# Altium PCB 28Pins_Project_V1I1_PCB.PcbDoc (part 2 of 2)
Units mm, origin at the board's own origin, x right, y up, seen from the top; angles counter-clockwise.
Board outline 68.58 x 53.34 mm, 2 copper layers (L1, L2), stack 1.671 mm thick; 106 components, 72 nets, 323 pads, 70 vias.
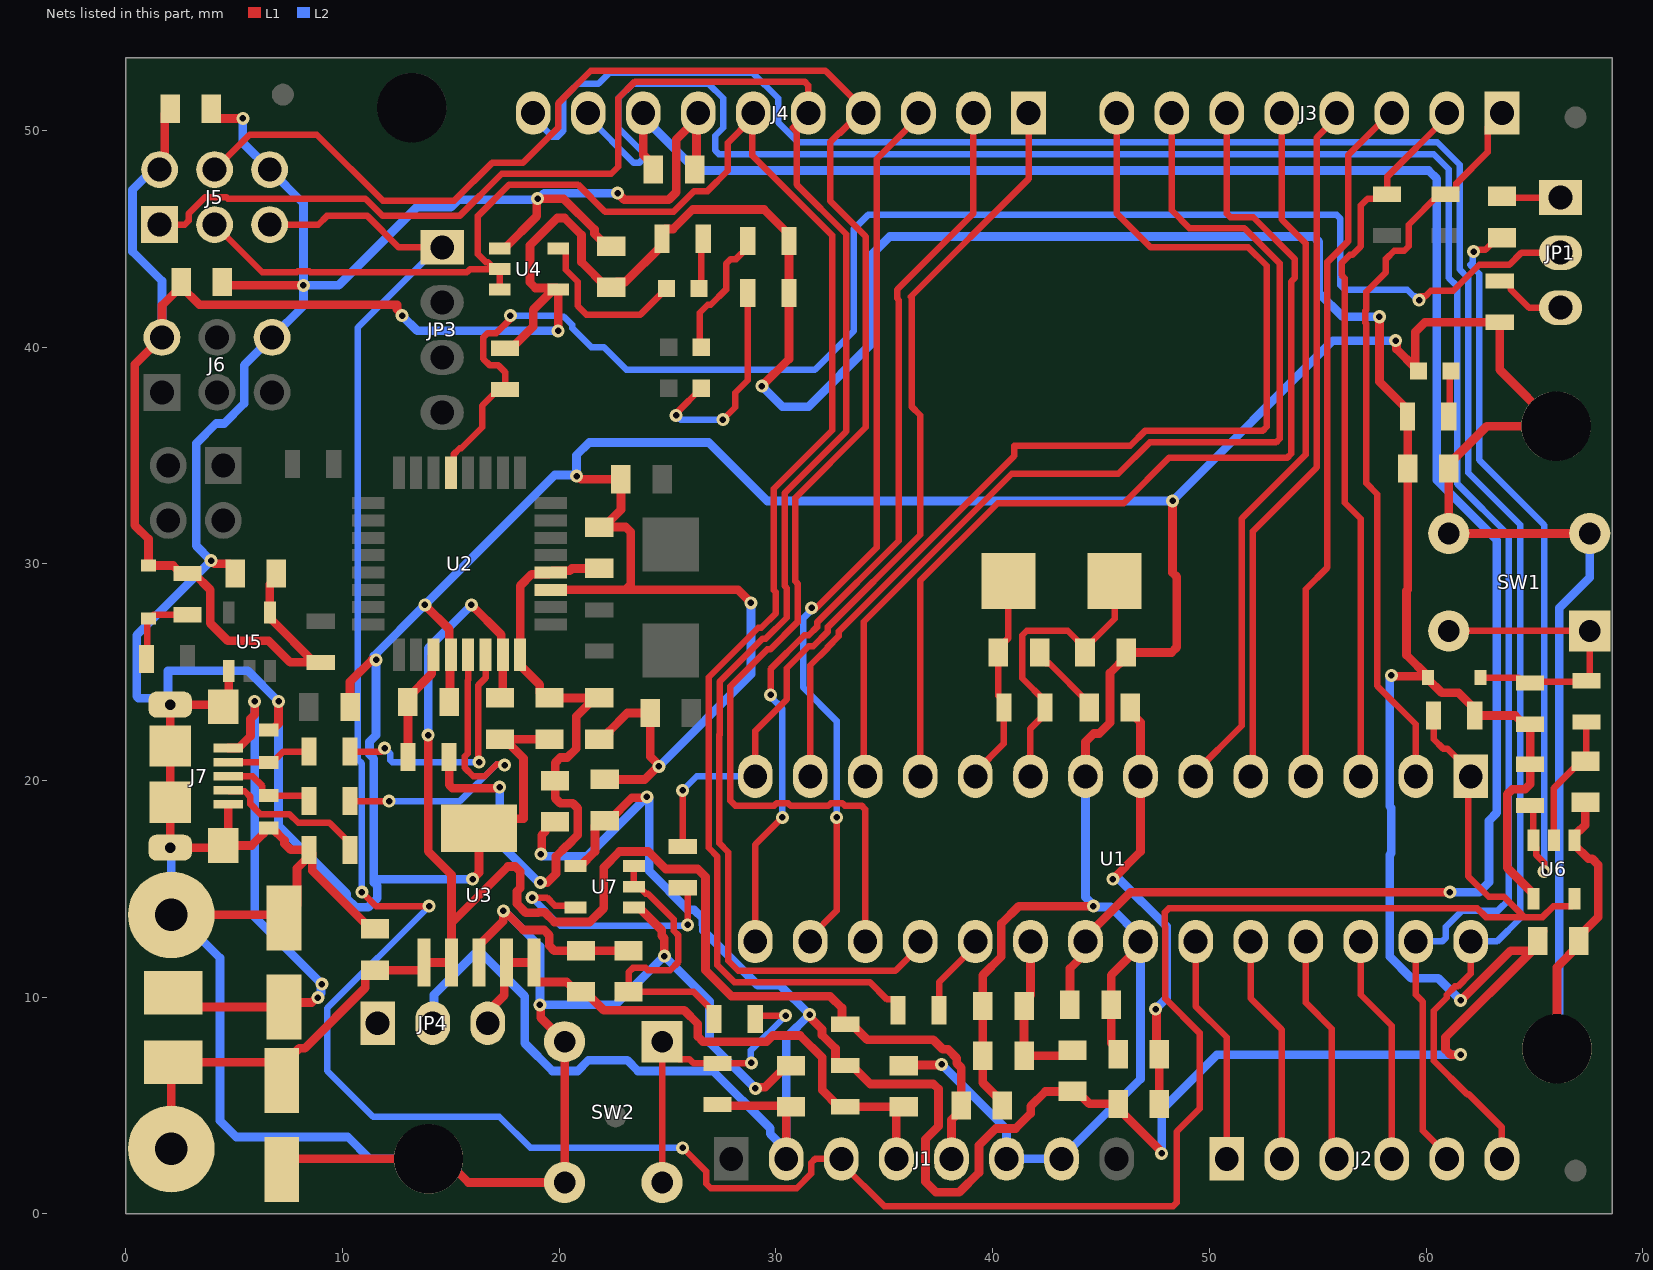
[diagram p2: the nets of this part, all layers, seen from the top]

## Via types
v1: diameter 0.6, hole 0.3, L1 to L2, 70 vias

## Nets (pads, with @x,y where several pads share a name; then routed paths per layer and width w, separated by ;. In a path a pad name is that pad's centre, name@x,y a point inside that pad or via, vN(x,y) a via of type N, cw(c..) or ccw(c..) an arc to the next point about the centre after c; other vN are vias at no path point) (continued)
16U2PROG_328P_RESETn: JP1.2 R1.1 U2.13 | length 69.6
  L1 w0.3: U2.13@15,34.2 15.125,34.325 15.125,35.045 15.41,35.33 15.483,35.33 16.45,36.297 16.45,37.3 17.2,38.05 R1.1@17.5,38.05 17.5,38.85 17.197,39.153 16.802,39.153 16.5,39.455 16.5,40.445 16.705,40.65 17.1,40.65 17.75,41.3 v1(17.75,41.45) ; v1(59.685,42.165) 59.685,42.247 59.788,42.35 59.969,42.35 60.219,42.6 61.25,42.6 62.45,43.8 63.845,43.8 64.405,44.36 JP1.2@66.2,44.36
  L2 w0.3: v1(17.75,41.45) 20.028,41.45 20.078,41.4 20.219,41.4 20.6,41.019 20.6,40.878 21.478,40 22.05,40 23.1,38.95 31.8,38.95 33.6,40.75 33.6,45.45 34.25,46.1 55.874,46.1 56.05,45.924 56.05,42.85 56.25,42.65 59.131,42.65 59.431,42.35 59.5,42.35 v1(59.685,42.165)
328P_16MHZ_XTAL1: C27.2 R16.1 U1.9 Y1.1 | length 14.6
  L1 w0.3: U1.9@41.745,20.193 41.745,22.395 42.418,23.068 42.418,23.668 41.364,24.722 41.364,26.703 41.569,26.908 43.462,26.908 C27.2@44.262,26.108 ; Y1.1@45.63,29.21 45.63,27.46 44.578,26.408 44.562,26.408 C27.2@44.262,26.108 ; C27.2@44.262,26.108 C27.2@44.262,25.908 C27.2@44.262,26.108
328P_16MHZ_XTAL2: C25.2 R16.2 U1.10 Y1.2 | length 9.9
  L1 w0.3: U1.10@39.205,20.193 39.205,20.393 40.518,21.706 R16.2@40.518,23.368 40.518,23.668 40.264,23.922 C25.2@40.264,25.908 40.264,26.108 40.73,26.574 Y1.2@40.73,29.21
328P_AUTORESETn: C11.1 R18.1 U6.1 | length 35
  L1 w0.3: v1(62.2,44.4) 62.281,44.4 62.368,44.487 62.737,44.487 63.3,45.05 C11.1@63.5,45.05 ; R18.1@64.8,18.85 64.95,18.7 64.95,17.025 65.075,16.9 65.075,16.572 65.45,16.197 v1(65.45,15.8)
  L2 w0.3: v1(62.2,44.4) 62.143,44.343 62.143,43.882 62.05,43.789 62.45,43.389 62.45,34.79 65.45,31.79 v1(65.45,15.8)
328P_BUF_RESETn: C32.1 R24.2 U6.2 | length 6.2
  L1 w0.3: U6.2@65.9,17.25 65.9,19.65 67.15,20.9 C32.1@67.35,20.9 67.4,20.95 R24.2@67.4,22.7
328P_RESETn: J1.3 J5.5 JP3.1 R14.1 U1.1 U6.4 | length 142.7
  L1 w0.3: J5.5@6.64,45.65 8.884,45.65 9.284,46.05 11.15,46.05 12.6,44.6 JP3.1@14.6,44.6 ; v1(10.9,14.85) 11.55,14.2 v1(14,14.2) ; v1(25.7,3.05) 26.79,1.96 26.79,1.395 26.995,1.19 30.956,1.19 31.63,1.864 31.63,2.364 31.806,2.54 J1.3@33.02,2.54 33.02,2.34 35.01,0.35 48.324,0.35 48.5,0.526 48.5,3.8 49.55,4.85 49.55,8.35 47.975,9.925 47.975,13.249 47.95,13.274 47.95,13.924 48.126,14.1 62.364,14.1 62.764,13.7 64.53,13.7 ; R14.1@60.35,23 60.35,21.908 60.782,21.476 60.982,21.476 62.065,20.393 U1.1@62.065,20.193 61.95,20.078 61.95,15.576 62.888,14.638 63.592,14.638 64.53,13.7 ; U6.4@66.85,14.55 66.85,14.325 66.725,14.2 65.878,14.2 65.378,13.7 64.53,13.7
  L2 w0.3: v1(10.9,14.85) 10.9,20.782 10.7,20.982 10.7,40.9 14.4,44.6 JP3.1@14.6,44.6 ; v1(14,14.2) 9.3,9.5 9.3,6.6 11.41,4.49 17.232,4.49 18.672,3.05 v1(25.7,3.05)
+3V3: C13.2 C16.2 J1.4 JP4.3 R28.2 U3.4 U3.5 | length 28.7
  L1 w0.4: JP4.3@16.7,8.8 16.7,9.325 17.47,10.095 17.47,11.5 U3.4@17.57,11.6 U3.5@18.84,11.6 18.84,10.8 18.94,10.7 20.35,10.7 20.8,10.25 C13.2@21,10.25 21.2,10.25 22.05,9.4 25.766,9.4 26.4,8.766 26.4,8.184 26.634,7.95 29.566,7.95 29.85,8.234 31.116,8.234 32.133,7.217 32.133,5.717 32.9,4.95 R28.2@33.2,4.95 C16.2@35.81,4.95 ; J1.4@35.56,2.54 35.56,4.7 C16.2@35.81,4.95 ; C16.2@35.9,4.95 C16.2@35.81,4.95
+3V3_16U2_UCAP: C7.2 R26.1 U2.27 | length 5.2
  L1 w0.4: R26.1@13.02,21.082 C7.2@13.02,23.622 13.02,23.822 14.125,24.927 14.125,25.725 U2.27@14.2,25.8
+5V: C2.1 C6.2 C12.2 C14.2 J1.5 J8.1 JP4.1 L1.2 R27.1 U2.31 U3.1 U3.2 | length 84.5
  L1 w0.4: J8.1@2.1,3 2.1,6.9 L1.2@2.2,7 6.6,7 C2.1@7.2,6.4 ; C2.1@7.2,6.15 C2.1@7.2,6.4 ; v1(13.95,22.1) 13.95,16.734 15.03,15.654 15.03,13.43 ; v1(15.95,28.1) 17.325,26.725 17.325,25.875 U2.31@17.4,25.8 17.4,23.938 C6.2@17.272,23.81 ; J1.5@38.1,2.54 38.1,4.35 38.55,4.8 C14.2@38.55,5 38.55,6.75 38.35,6.95 38.35,7.19 37.94,7.6 37.7,7.6 37.266,8.034 34.216,8.034 33.5,8.75 R27.1@33.2,8.75 33.05,8.9 33.05,9.5 32.5,10.05 27.95,10.05 26.75,11.25 26.75,15.566 26.398,15.918 24.923,15.918 24.116,16.725 22.784,16.725 22.05,15.991 22.05,14.109 21.416,13.475 19.779,13.475 19.331,13.924 19.064,13.924 19.04,13.9 18.46,13.9 18.05,14.31 18.05,14.89 18.2,15.04 18.2,15.8 17.966,16.034 17.634,16.034 15.03,13.43 ; C2.1@7.2,6.4 7.2,6.85 8,7.65 8.266,7.65 11.05,10.434 11.05,11 11.3,11.25 C12.2@11.5,11.25 13.66,11.25 13.76,11.35 U3.1@13.76,11.6 U3.2@15.03,11.6 15.03,13.43
  L2 w0.4: J8.1@2.1,3 J8.1@2.884,3 ; v1(13.95,22.1) 13.95,26.1 v1(15.95,28.1)
+5V/3V3: C8.1 C15.2 C17.1 C26.1 C28.1 C29.1 C30.1 C34.2 D5.1 D6.1 FB1.1 FB2.1 FB3.1 J1.2 J5.2 J6.2 JP4.2 R1.2 R2.1 R3.1 R4.2 R14.2 R15.2 R17.2 R18.2 R19.2 R20.2 R21.2 R27.2 R28.1 U4.5 U5.5 U6.5 U7.5 | length 304.2
  L1 w0.4: J5.2@1.56,48.19 1.805,48.435 1.805,50.755 C17.1@2.05,51 ; C8.1@2.55,43 C8.1@2.55,42.8 ; C30.1@6.95,29.55 6.95,29.35 6.65,29.05 U5.5@6.65,27.75 6.725,27.675 6.725,27.425 R4.2@8.7,25.45 ; R4.2@9,25.45 R4.2@8.7,25.45 ; v1(12.75,41.45) 12.75,41.504 12.516,41.738 12.516,41.95 3.4,41.95 C8.1@2.55,42.8 ; R1.2@17.5,39.95 17.8,39.95 18.8,40.95 18.8,41.725 19.725,42.65 U4.5@19.95,42.65 ; v1(19.15,16.6) 19.188,16.638 19.188,17.476 19.362,17.65 19.362,17.85 19.612,18.1 FB1.1@19.812,18.1 ; v1(19.95,40.75) U4.5@19.95,42.65 ; U7.5@20.75,16.05 20.975,16.05 21.65,16.725 21.65,17.9 21.9,18.15 C29.1@22.1,18.15 22.3,18.15 23.362,19.212 24.012,19.212 v1(24.05,19.25) ; R21.2@27.3,5.05 27.35,5 30.65,5 C15.2@30.7,4.95 30.48,4.73 J1.2@30.48,2.54 ; v1(29.35,38.2) 30.6,39.45 R3.1@30.6,42.5 R2.1@30.6,44.9 30.6,45.2 29.45,46.35 26.156,46.35 25.256,45.45 24.9,45.45 24.75,45.3 24.75,44.7 23.05,43 22.65,43 C26.1@22.4,42.75 22.2,42.75 21.025,43.925 21.025,45.176 20.241,45.96 19.91,45.96 18.65,44.7 18.65,42.984 18.909,42.725 19.875,42.725 U4.5@19.95,42.65 ; v1(31.55,9.2) 31.55,9.1 32.125,8.525 32.125,8.259 32.75,7.634 32.75,7 32.9,6.85 R28.1@33.2,6.85 33.5,6.85 34.35,6 37.266,6 37.5,5.766 37.5,4.042 36.9,3.442 36.9,1.484 37.384,1 38.457,1 39.37,1.913 39.37,3.167 40.143,3.94 41.056,3.94 41.752,4.636 41.752,4.968 42.438,5.654 FB3.1@43.688,5.654 43.888,5.654 44.462,5.08 FB2.1@45.786,5.08 45.786,4.88 47.762,2.904 47.762,2.838 v1(47.8,2.8) ; v1(57.85,41.4) 57.85,38.4 59.15,37.1 R17.2@59.15,36.8 C34.2@59.15,34.4 59.15,28.814 59.1,28.764 59.1,25.794 60.081,24.813 D6.1@60.081,24.75 ; v1(58.4,24.85) 58.438,24.812 60.019,24.812 D6.1@60.081,24.75 ; v1(61.6,7.35) 61.134,7.35 60.9,7.584 60.9,8.15 C28.1@64.9,12.15 ; v1(61.6,9.85) 63.9,12.15 C28.1@64.9,12.15 ; U6.5@64.95,14.55 64.95,14.775 63.75,15.975 63.75,19.366 63.984,19.6 64.566,19.6 64.8,19.834 R18.2@64.8,20.75 R20.2@64.8,22.6 64.5,22.6 64.1,23 R14.2@62.25,23 62.25,23.3 61.5,24.05 60.717,24.05 60.081,24.686 D6.1@60.081,24.75 ; C28.1@65.4,13.05 65.15,12.8 C28.1@65.15,12.6 65.15,12.4 C28.1@64.9,12.15 ; C8.1@2.55,42.8 1.67,41.92 J6.2@1.67,40.45 0.42,39.2 0.42,31.772 1.05,31.142 D5.1@1.05,29.919 2.181,29.919 2.55,29.55 R19.2@2.85,29.55 3.15,29.55 3.9,28.8 3.9,27.259 4.709,26.45 6.591,26.45 7.591,25.45 R4.2@8.7,25.45
  L2 w0.4: J5.2@1.56,48.19 1.24,48.19 0.31,47.26 0.31,44.414 1.67,43.054 J6.2@1.67,40.45 ; v1(12.75,41.45) 13.45,40.75 v1(19.95,40.75) ; JP4.2@14.16,8.8 14.22,8.86 14.22,10.12 16.109,12.009 16.441,12.009 18.41,10.04 18.41,7.881 19.691,6.6 20.851,6.6 21.351,7.1 23.134,7.1 23.634,6.6 27.094,6.6 29.74,3.954 29.74,3.694 J1.2@30.48,2.954 ; v1(19.15,16.6) 19.25,16.5 21.3,16.5 v1(24.05,19.25) 24.15,19.15 24.15,15.828 25.938,14.04 26.221,14.04 26.631,13.63 26.631,13.346 26.657,13.321 26.657,13.064 29.164,10.557 30.193,10.557 v1(31.55,9.2) 30.48,8.13 J1.2@30.48,2.954 ; v1(29.35,38.2) 30.3,37.25 31.5,37.25 34.45,40.2 34.45,44.3 35.25,45.1 54.816,45.1 55.05,44.866 55.05,42.5 56.15,41.4 v1(57.85,41.4) ; J1.2@30.48,2.54 J1.2@30.48,2.954 ; v1(47.8,2.8) 47.8,4.799 50.351,7.35 v1(61.6,7.35) ; v1(58.4,24.85) 58.325,24.775 58.325,18.808 58.4,18.733 58.4,16.65 58.325,16.575 58.325,11.876 59.319,10.882 60.568,10.882 v1(61.6,9.85)
+5V/3V3_16U2: C3.2 C4.2 C5.2 FB1.2 R26.2 U2.4 U2.32 | length 32.2
  L1 w0.4: R26.2@14.92,21.082 14.92,19.799 15.069,19.65 17.2,19.65 v1(17.25,19.7) ; v1(19.129,15.304) 19.129,15.297 19.138,15.288 19.438,15.288 19.85,15.7 19.85,16.491 20.347,16.987 20.365,16.987 20.862,17.484 20.862,18.716 20.628,18.95 20.046,18.95 19.812,19.184 FB1.2@19.812,20 19.812,20.826 20.046,21.06 20.374,21.06 20.794,21.48 20.794,22.96 C3.2@21.644,23.81 ; C3.2@21.844,23.81 C3.2@21.644,23.81 ; C5.2@21.844,29.784 20.594,29.784 20.485,29.675 19.675,29.675 U2.4@19.6,29.6 19.525,29.525 18.734,29.525 18.2,28.991 U2.32@18.2,25.8 18.2,25.325 19.108,24.417 19.108,24.06 19.358,23.81 C4.2@19.558,23.81 C3.2@21.644,23.81
  L2 w0.4: v1(17.25,19.7) 17.25,17.1 18.181,16.169 19.087,15.263 v1(19.129,15.304)
+5V/3V3_328P_AVCC: C22.2 C23.2 FB3.2 U1.20 | length 7.7
  L1 w0.4: U1.20@41.745,12.573 41.745,10.095 41.45,9.8 C23.2@41.45,9.6 C22.2@41.45,7.3 43.234,7.3 43.488,7.554 FB3.2@43.688,7.554
+5V/3V3_328P_VCC: C19.2 C20.2 FB2.2 U1.7 | length 20.7
  L1 w0.4: v1(45.55,15.45) 46.825,16.725 U1.7@46.825,20.193 46.825,22.693 46.35,23.168 C20.2@46.35,23.368 ; v1@47.525,9.402 v1(47.525,9.456) 47.563,9.417 47.563,7.489 C19.2@47.686,7.366 FB2.2@47.686,5.08
  L2 w0.4: v1(45.55,15.45) 45.845,15.45 48.025,13.27 48.025,9.956 v1(47.525,9.456) ; U1.7@46.825,19.993 U1.7@46.825,20.193
+5V_USB: C1.1 J7.1 L1.1 | length 25.1
  L1 w0.4: L1.1@2.2,10.2 2.85,9.55 C1.1@7.3,9.55 7.506,9.756 8.583,9.756 8.811,9.985 v1(8.865,9.985) ; J7.1@4.725,21.5 5.2,21.5 5.754,22.054 5.754,22.854 5.95,23.05 v1(5.95,23.65)
  L2 w0.4: v1(5.95,23.65) 5.95,13.7 v1(9.05,10.6) 9.012,10.562 9.012,10.185 8.865,10.039 v1(8.865,9.985)
+AREF: C21.2 C24.2 J4.8 U1.21 | length 97.6
  L1 w0.4: J4.8@23.876,50.8 23.876,48.874 24.35,48.4 C21.2@24.35,48.2 ; C24.2@43.566,9.652 43.566,11.329 44.285,12.048 U1.21@44.285,12.573 44.285,12.773 46.362,14.85 v1(61.1,14.85)
  L2 w0.4: J4.8@23.876,50.8 23.876,50.6 26.326,48.15 60.116,48.15 60.5,47.766 60.5,33.859 63.265,31.094 63.265,18.512 62.9,18.147 62.9,15.3 62.45,14.85 v1(61.1,14.85)
AD0: J2.1 U1.23 | length 10.6
  L1 w0.3: U1.23@49.365,12.573 49.365,9.585 50.8,8.15 J2.1@50.8,2.54
AD1: J2.2 U1.24 | length 10.6
  L1 w0.3: U1.24@51.905,12.573 51.905,9.945 53.34,8.51 J2.2@53.34,2.54
AD2: J2.3 U1.25 | length 10.6
  L1 w0.3: U1.25@54.445,12.573 54.445,9.755 55.65,8.55 55.65,2.77 J2.3@55.88,2.54
AD3: J2.4 U1.26 | length 10.6
  L1 w0.3: U1.26@56.985,12.573 56.985,10.115 58.42,8.68 J2.4@58.42,2.54
AD4/SDA: J2.5 J4.9 U1.27 | length 100
  L1 w0.3: U1.27@59.525,12.573 59.525,10.125 59.85,9.8 59.85,3.85 60.96,2.74 J2.5@60.96,2.54
  L2 w0.3: J4.9@21.336,50.8 21.336,50.6 23.436,48.5 23.685,48.5 23.86,48.676 23.86,48.989 22.726,50.124 22.726,51.476 23.4,52.15 26.892,52.15 27.566,51.476 27.566,50.124 27.196,49.754 27.196,49.076 27.372,48.9 60.357,48.9 61.05,48.207 61.05,43.193 61.45,42.793 61.45,33.687 63.815,31.322 63.815,14.491 63.324,14 61.666,14 60.915,13.249 60.915,12.749 60.739,12.573 U1.27@59.525,12.573
AD5/SCL: J2.6 J4.10 U1.28 | length 98.6
  L1 w0.3: U1.28@62.065,12.573 62.065,11.093 61.472,10.5 61.331,10.5 60.95,10.119 60.95,9.978 60.35,9.378 60.35,7.072 61.891,5.531 61.959,5.531 63.5,3.99 J2.6@63.5,2.54
  L2 w0.3: J4.10@18.796,50.8 18.796,50.6 19.68,49.716 19.928,49.716 20.186,49.974 20.186,51.476 20.86,52.15 21.812,52.15 22.312,52.65 28.932,52.65 30.106,51.476 30.106,50.364 31.02,49.45 60.514,49.45 61.55,48.414 61.55,43.582 61.95,43.182 61.95,34.2 64.35,31.8 64.35,13.65 63.273,12.573 U1.28@62.065,12.573
BUTTON_RESETn: D6.2 R20.1 R24.1 SW1.1 SW1.2 | length 13.9
  L1 w0.3: SW1.2@61.05,26.9 SW1.1@67.55,26.9 67.55,24.75 R24.1@67.4,24.6 67.35,24.55 64.85,24.55 R20.1@64.8,24.5 64.5,24.5 64.25,24.75 D6.2@62.519,24.75
CON_USB_N: J7.2 R6.1 Z1.2 | length 3.9
  L1 w0.3: J7.2@4.725,20.85 4.736,20.839 6.593,20.839 Z1.2@6.604,20.828 6.754,20.828 7.262,21.336 R6.1@8.448,21.336
CON_USB_P: J7.3 R7.1 Z2.2 | length 4.4
  L1 w0.3: J7.3@4.725,20.2 5.85,20.2 6.304,19.746 6.304,19.454 6.454,19.304 8.248,19.304 8.448,19.104 R7.1@8.448,19.05
GND: C1.2 C2.2 C3.1 C4.1 C5.1 C6.1 C7.1 C8.2 C9.1 C10.1 C12.1 C13.1 C14.1 C15.1 C16.1 C17.2 C19.1 C21.1 C22.1 C23.1 C24.1 C26.2 C27.1 C28.2 C29.2 C30.2 C31.2 C32.2 C33.2 C34.1 D1.1 J1.6 J1.7 J4.7 J5.6 J6.6 J7.5 J7.6 J7.7 J7.8 J7.9 J7.10 J7.11 J9.1 MH1.1 MH2.1 MH3.1 R8.2 R12.1 SW1.3 SW1.4 SW2.3 SW2.4 U1.8 U1.22 U2.3 U2.28 U3.3 U3.6 U4.3 U5.3 U6.3 U7.3 Z1.1 Z2.1 | length 468.8
  L1 w0.4: J9.1@2.1,13.8 7.15,13.8 C1.2@7.3,13.65 7.9,14.25 7.9,15.95 R8.2@8.6,16.65 ; v1(3.938,30.141) 4.079,30 4.8,30 5.05,29.75 C30.2@5.05,29.55 ; C17.2@3.95,51 3.95,50.8 4.2,50.55 v1(5.4,50.55) ; C8.2@4.45,43 4.6,42.85 v1(8.2,42.85) ; J7.5@4.725,18.9 4.725,17.225 J7.7@4.5,17 ; U5.3@4.75,25.05 4.75,23.65 J7.6@4.5,23.4 4.4,23.5 J7.8@2.05,23.5 J7.10@2.05,21.6 J7.11@2.05,19 J7.9@2.05,16.9 4.4,16.9 J7.7@4.5,17 ; Z1.1@6.604,22.328 6.754,22.328 7.05,22.624 v1(7.05,23.65) ; C2.2@7.2,2.05 7.69,2.54 MH1.1@13.97,2.54 14.728,2.54 15.818,1.45 SW2.3@20.25,1.45 SW2.4@20.25,7.95 19.148,9.052 19.148,9.612 v1(19.11,9.65) ; C31.2@10.35,23.4 10.35,24.553 11.362,25.565 v1(11.55,25.565) ; C12.1@11.5,13.15 11.3,13.15 8.6,15.85 R8.2@8.6,16.65 ; v1(13.8,28.1) 14.925,26.975 14.925,25.875 U2.28@15,25.8 14.96,25.76 14.96,23.662 C7.1@14.92,23.622 ; v1(16,15.45) 16.3,15.75 U3.6@16.3,17.8 16.734,18.234 18.35,18.234 18.35,21.032 C6.1@17.472,21.91 ; U3.3@16.3,11.6 16.3,12.4 17.412,13.512 17.412,13.962 17.45,14 18.35,13.1 19.306,13.1 19.54,12.866 19.54,12.384 19.774,12.15 C13.1@21,12.15 C33.2@23.2,12.15 ; U4.3@17.25,44.55 17.475,44.55 18.962,46.037 18.962,46.812 v1(19,46.85) 20.2,46.85 21.625,45.425 21.625,45.225 22.2,44.65 C26.2@22.4,44.65 ; C6.1@17.272,21.91 C6.1@17.472,21.91 ; v1(17.428,13.989) v1@17.433,13.983 ; C4.1@19.558,21.91 C6.1@17.472,21.91 ; U2.3@19.6,28.8 23.066,28.8 ; v1(20.8,34.05) 20.854,34.05 21.004,33.9 C9.1@22.85,33.9 22.85,32.49 C5.1@22.06,31.7 ; C3.1@21.844,21.91 22.044,21.91 22.294,22.16 22.294,22.262 23.146,23.114 C10.1@24.196,23.114 24.196,21.108 24.6,20.704 v1(24.6,20.65) 24.546,20.65 23.946,20.05 C29.2@22.1,20.05 ; C5.1@21.844,31.684 21.86,31.7 C5.1@22.06,31.7 ; v1(22.7,47.1) 23,46.8 25.05,46.8 25.4,47.15 25.4,49.584 J4.7@26.333,50.517 ; U7.3@23.45,14.15 23.675,14.15 24.731,13.094 24.731,12.843 24.85,12.724 v1(24.85,11.9) ; C21.1@26.25,48.2 26.333,48.283 J4.7@26.333,50.517 ; J4.7@26.416,50.8 26.416,50.6 J4.7@26.333,50.517 ; v1(28.85,28.2) 28.25,28.8 23.066,28.8 ; v1(29.05,5.8) 29.1,5.85 29.5,5.85 30.5,6.85 C15.1@30.7,6.85 ; C16.1@35.9,6.85 35.925,6.875 37.625,6.875 v1(37.65,6.9) ; C14.1@40.45,5 40.45,5.2 40.2,5.45 40.15,5.45 39.55,6.05 C22.1@39.55,7.3 C23.1@39.55,9.6 39.55,11.021 40.405,11.876 40.405,13.405 41.2,14.2 v1(44.65,14.2) ; U1.8@44.285,20.193 44.285,21.793 44.665,22.173 44.92,22.173 45.416,22.668 45.416,24.962 46.162,25.708 C27.1@46.162,25.908 48.258,25.908 48.5,26.15 48.5,29.398 48.3,29.598 v1(48.3,32.9) ; C19.1@45.786,7.366 45.786,7.566 45.466,7.886 C24.1@45.466,9.652 45.466,11.014 46.825,12.373 U1.22@46.825,12.573 ; v1(58.6,40.3) 58.638,40.262 58.638,39.912 D1.1@59.5,39.05 ; D1.1@59.65,38.9 D1.1@59.5,39.05 ; MH2.1@66.04,7.62 66.04,11.39 67.05,12.4 C28.2@67.05,12.6 67.05,12.8 67.95,13.7 67.95,16.1 67.666,16.384 67.491,16.384 66.85,17.025 U6.3@66.85,17.25 66.85,17.475 67.091,17.716 67.116,17.716 67.35,17.95 C32.2@67.35,19 ; SW1.4@67.55,31.4 SW1.3@61.05,31.4 C34.1@61.05,34.4 61.05,34.6 62.8,36.35 MH3.1@66,36.35 63.4,38.95 R12.1@63.4,41.15 59.95,41.15 59.5,40.7 D1.1@59.5,39.05 ; J7.7@4.5,17 5.8,17 6.354,17.554 6.354,17.704 6.454,17.804 Z2.1@6.604,17.804 6.754,17.804 7.325,17.233 7.325,17.083 7.608,16.8 R8.2@8.45,16.8 R8.2@8.6,16.65 ; C5.1@22.06,31.7 23.066,31.7 23.3,31.466 23.3,29.034 23.066,28.8
  L2 w0.4: J7.9@2.05,16.9 2.1,16.85 J9.1@2.1,13.8 2.366,13.8 4.35,11.816 4.35,4.3 5.1,3.55 10.25,3.55 11.26,2.54 MH1.1@13.97,2.54 ; J7.8@2.05,23.5 J7.8@1.95,23.6 ; v1(5.4,50.55) 5.4,49.43 J5.6@6.64,48.19 8.2,46.63 v1(8.2,42.85) ; v1@11.45,25.565 11.45,25.75 v1(13.8,28.1) 19.8,34.1 20.75,34.1 v1(20.8,34.05) 20.8,35.016 21.384,35.6 26.9,35.6 29.6,32.9 v1(48.3,32.9) 55.7,40.3 v1(58.6,40.3) ; v1(11.55,25.565) 11.55,22.09 11.25,21.79 11.25,21.21 11.45,21.01 11.45,15.484 ; v1(16,15.45) 11.484,15.45 11.45,15.484 ; v1(17.428,13.989) 17.439,13.989 17.45,14 19.11,12.34 19.11,9.742 19.018,9.65 22.6,9.65 v1(24.85,11.9) 26.936,9.814 26.936,7.914 v1(29.05,5.8) ; v1(22.7,47.1) 19.304,47.1 19.054,46.85 v1(19,46.85) 18.95,46.8 15.35,46.8 15,46.45 13.427,46.45 9.827,42.85 v1(8.2,42.85) ; v1(24.6,20.65) 28.85,24.9 v1(28.85,28.2) ; v1(37.65,6.9) 40.64,3.91 J1.6@40.64,2.54 J1.7@43.18,2.54 43.18,2.58 46.825,6.225 U1.22@46.825,12.573 46.825,12.773 45.436,14.162 44.688,14.162 v1(44.65,14.2) 44.65,14.254 44.285,14.619 U1.8@44.285,20.193 ; MH2.1@66.04,7.62 66.15,7.73 66.15,27.966 67.55,29.366 SW1.4@67.55,31.4 ; J7.8@1.95,23.6 1.95,25.072 5.628,25.072 v1(7.05,23.65) 7.05,17.922 10.2,14.772 10.2,14.56 10.61,14.15 11.19,14.15 11.6,14.56 11.6,15.14 11.45,15.29 11.45,15.484 ; J7.8@1.95,23.6 1.749,23.801 0.583,23.801 0.5,23.884 0.5,26.704 v1(3.938,30.141) 3.25,30.829 3.25,35.556 4.168,36.474 4.542,36.474 5.46,37.392 5.46,39.16 J6.6@6.75,40.45 8.2,41.9 v1(8.2,42.85)
IO0: J3.1 R10.2 U1.2 | length 34.8
  L1 w0.3: U1.2@59.525,20.193 59.525,22.591 57.75,24.366 57.75,33.212 57.25,33.712 57.25,41.081 57.2,41.131 57.2,41.669 57.25,41.719 57.25,42.557 58.15,43.457 58.15,44.069 58.531,44.45 58.995,44.45 59.2,44.655 59.2,45.65 60.6,47.05 61.2,47.05 61.4,47.25 61.4,47.55 62.85,49 62.85,50.15 J3.1@63.5,50.8
IO1: J3.2 R11.2 U1.3 | length 33.5
  L1 w0.3: U1.3@56.985,20.193 56.985,32.083 56.25,32.818 56.25,43.181 56.1,43.331 56.1,43.869 56.481,44.25 56.593,44.25 56.985,44.642 56.985,46.535 57.3,46.85 58,46.85 R11.2@58.2,47.05 58.2,47.85 60.96,50.61 J3.2@60.96,50.8
IO2: J3.3 U1.4 | length 32.3
  L1 w0.3: U1.4@54.445,20.193 54.445,28.825 55.45,29.83 55.45,43.926 56.4,44.876 56.4,48.85 58.35,50.8 J3.3@58.42,50.8
IO3: J3.4 U1.5 | length 32.3
  L1 w0.3: U1.5@51.905,20.193 52,20.288 52,31.495 54.95,34.445 54.95,49.67 55.88,50.6 J3.4@55.88,50.8
IO4: J3.5 U1.6 | length 33.2
  L1 w0.3: U1.6@49.365,20.193 49.365,20.393 51.5,22.528 51.5,32.089 54.45,35.039 54.45,44.78 53.34,45.89 J3.5@53.34,50.8
IO5: J3.6 U1.11 | length 46.3
  L1 w0.3: U1.11@36.665,20.193 36.65,20.208 36.65,29.214 40.236,32.8 46.05,32.8 48.15,34.9 53.604,34.9 53.779,35.076 53.779,43.025 53.95,43.196 53.95,44.057 52.02,45.987 50.976,45.987 50.8,46.162 J3.6@50.8,50.8
IO6: J3.7 U1.12 | length 48.4
  L1 w0.3: U1.12@34.125,20.193 34.05,20.268 34.05,27.322 40.878,34.15 45.8,34.15 47.25,35.6 53.074,35.6 53.25,35.776 53.25,43.857 51.62,45.487 49.083,45.487 48.26,46.31 J3.7@48.26,50.8
IO7: J3.8 U1.13 | length 51.2
  L1 w0.3: U1.13@31.585,20.193 31.585,25.314 32.4,26.129 32.4,26.167 32.9,26.667 32.9,26.879 41,34.979 41,35.45 46.35,35.45 47.05,36.15 52.474,36.15 52.65,36.326 52.65,43.75 51.8,44.6 47.3,44.6 45.72,46.18 J3.8@45.72,50.8
IO8: J4.1 R22.2 U1.14 | length 42.7
  L1 w0.3: R22.2@25.7,16.95 25.7,19.65 v1(25.7,19.55) ; U1.14@29.045,20.193 29.045,22.288 30.5,23.743 30.5,25.186 31.514,26.2 31.726,26.2 32.4,26.874 32.4,27.086 36.657,31.343 36.657,36.858 36.26,37.255 36.26,42.29 36.224,42.326 41.656,47.757 J4.1@41.656,50.8
  L2 w0.3: v1(25.7,19.55) 26.343,20.193 U1.14@29.045,20.193
IO9: J4.2 U1.15 | length 43
  L1 w0.3: U1.15@29.045,12.573 29.045,17.045 v1(30.3,18.3) ; v1@29.75,24.2 29.75,25.143 31.307,26.7 31.519,26.7 31.9,27.081 31.9,27.293 35.671,31.064 35.671,42.172 35.6,42.243 35.6,42.657 39.116,46.173 J4.2@39.116,50.8 ; v1(29.75,23.95) v1@29.751,24.199
  L2 w0.3: v1(29.75,23.95) 29.75,23.869 30.3,23.319 v1(30.3,18.3)
MISO: J4.5 J5.1 U1.18 | length 89.7
  L1 w0.3: J5.1@1.56,45.65 2.724,45.65 2.9,45.826 2.9,46.147 3.673,46.92 4.63,46.92 4.7,46.85 11.057,46.85 11.857,46.05 15.4,46.05 17.35,48 22.4,48 22.726,48.326 22.726,51.476 23.5,52.25 31.32,52.25 31.496,52.074 J4.5@31.496,50.8 31.449,50.8 30.774,50.126 30.95,49.95 30.95,47.507 33.25,45.207 33.25,36.107 30.4,33.257 30.4,28.983 30.5,28.883 30.5,27.517 29.533,26.55 29.392,26.55 27.4,24.558 27.4,22.116 27.395,22.111 27.395,17.1 27.8,16.695 27.8,11.685 28.262,11.223 35.515,11.223 36.665,12.373 U1.18@36.665,12.573
MOSI: J4.4 J5.4 U1.17 | length 84.5
  L1 w0.3: J5.4@4.1,48.19 5.71,49.8 8.814,49.8 11.864,46.75 15.15,46.75 16.9,48.5 18.322,48.5 19.946,50.124 19.946,51.236 21.46,52.75 32.286,52.75 34.036,51 J4.4@34.036,50.8 33.884,50.8 32.985,49.901 32.951,49.901 32.5,49.45 32.5,46.75 34.15,45.1 34.15,36.3 30.9,33.05 30.9,29.191 31,29.091 31,27.309 29.741,26.05 29.599,26.05 27.9,24.351 27.9,21.909 27.895,21.904 27.895,19.076 28.128,18.843 29.924,18.843 30.031,18.95 30.569,18.95 30.676,18.843 32.424,18.843 32.531,18.95 33.069,18.95 33.176,18.843 33.949,18.843 34.125,18.667 U1.17@34.125,12.573
NetC11_2: C11.2 JP1.1 | length 2.7
  L1 w0.3: C11.2@63.5,46.95 63.55,46.9 JP1.1@66.2,46.9
NetC20_1: C20.1 C25.1 | length 3.6
  L1 w0.3: C25.1@42.164,25.908 42.164,25.708 42.464,25.408 42.61,25.408 44.45,23.568 C20.1@44.45,23.368
NetD1_2: D1.2 R17.1 | length 2.1
  L1 w0.3: R17.1@61.05,36.8 61.1,36.85 61.1,38.85 D1.2@61.15,38.9
NetD2_1: D2.1 U4.4 | length 7.9
  L1 w0.3: U4.4@19.95,44.55 20.175,44.55 20.3,44.425 20.3,43.57 20.85,43.02 20.85,41.9 21.25,41.5 23.75,41.5 D2.1@24.95,42.7
NetD2_2: D2.2 R15.1 | length 2.4
  L1 w0.3: D2.2@26.45,42.7 26.55,42.8 26.55,44.9 R15.1@26.65,45
NetD3_2: D3.2 R2.2 | length 6.1
  L1 w0.3: D3.2@26.55,40 26.484,40.066 26.484,41.584 26.85,41.95 26.995,41.95 27.7,42.655 27.7,43.85 27.912,44.062 28.162,44.062 28.7,44.6 R2.2@28.7,44.9
NetD4_2: D4.2 R3.2 | length 10.3
  L1 w0.3: v1(25.4,36.85) 25.457,36.907 25.457,37.007 D4.2@26.55,38.1 ; v1(27.55,36.65) 28.125,37.225 28.125,37.894 28.7,38.469 R3.2@28.7,42.5
  L2 w0.3: v1(25.4,36.85) 25.6,36.65 v1(27.55,36.65)
NetD5_2: D5.2 R19.1 R23.1 | length 3.8
  L1 w0.3: R23.1@0.95,25.6 1,25.65 1,27.431 D5.2@1.05,27.481 1.114,27.481 1.283,27.65 R19.1@2.85,27.65
NetJ7_4: J7.4 R8.1 | length 7.1
  L1 w0.3: J7.4@4.725,19.55 4.775,19.5 5.495,19.5 5.752,19.243 5.752,18.911 6.209,18.454 7.549,18.454 7.953,18.05 9.4,18.05 10.35,17.1 R8.1@10.35,16.8
NetJP1_3: JP1.3 R12.2 | length 3.4
  L1 w0.3: R12.2@63.4,43.05 63.7,43.05 63.9,42.85 63.9,42.67 64.75,41.82 JP1.3@66.2,41.82
NetR22_1: R22.1 U7.4 | length 11.8
  L1 w0.3: v1(18.75,14.6) 19.432,14.6 19.8,14.232 20.668,14.232 U7.4@20.75,14.15 ; R22.1@25.7,15.05 25.731,15.05 25.931,14.85 v1(25.931,13.34)
  L2 w0.3: v1(18.75,14.6) 20.05,13.3 25.9,13.3 25.9,13.309 v1(25.931,13.34)
SCK: J4.6 J5.3 R13.2 U4.1 U4.2 | length 87.2
  L1 w0.3: J5.3@4.1,45.65 6.3,43.45 7.881,43.45 7.931,43.5 8.469,43.5 8.519,43.45 15.745,43.45 15.895,43.6 U4.2@17.025,43.6 ; U4.1@17.25,42.65 U4.2@17.25,43.6 U4.2@17.025,43.6 ; J4.6@28.956,50.8 28.956,50.6 J4.6@28.9,50.544 ; R13.2@35.626,9.398 35.626,9.698 35.426,9.898 35.126,9.898 34.324,10.7 28.078,10.7 27.3,11.478 27.3,16.488 26.895,16.893 26.895,22.318 26.9,22.323 26.9,24.765 29.185,27.05 29.326,27.05 30,27.724 30,28.676 29.9,28.776 29.9,33.464 32.6,36.164 32.6,45.15 28.9,48.85 J4.6@28.9,50.544 ; U4.2@17.025,43.6 16.7,43.925 16.605,43.925 16.25,44.28 16.25,46.05 17.7,47.5 20.864,47.5 22.114,46.25 25.278,46.25 26.228,47.2 26.845,47.2 27.776,48.131 27.776,49.42 J4.6@28.9,50.544
SCK_R: R13.1 U1.19 | length 3.9
  L1 w0.3: R13.1@37.526,9.398 37.526,10.694 39.205,12.373 U1.19@39.205,12.573
SS: J4.3 U1.16 | length 41.8
  L1 w0.3: U1.16@31.585,12.573 31.585,12.773 32.8,13.988 v1(32.8,18.3) ; v1(31.65,27.962) 31.65,27.88 31.78,27.88 34.65,30.75 34.65,48.674 36.576,50.6 J4.3@36.576,50.8
  L2 w0.3: v1(31.65,27.962) 31.55,27.862 31.55,27.781 31.25,27.481 31.25,24.3 32.8,22.75 v1(32.8,18.3)
USB_N: R6.2 U2.30 | length 11.6
  L1 w0.3: R6.2@10.348,21.336 11.786,21.336 v1(11.95,21.5) ; v1(16.3,20.85) 16.272,20.878 16.272,24.405 16.6,24.733 U2.30@16.6,25.8
  L2 w0.3: v1(11.95,21.5) 12.207,21.243 12.207,20.943 12.3,20.85 v1(16.3,20.85)
USB_P: R7.2 U2.29 | length 15.4
  L1 w0.3: R7.2@10.348,19.05 v1(12.15,19.05) ; U2.29@15.8,25.8 15.8,24.64 15.772,24.612 15.772,21.241 15.65,21.119 15.65,20.581 16.031,20.2 16.569,20.2 17.119,20.75 17.442,20.75 v1(17.479,20.713)
  L2 w0.3: v1(12.15,19.05) 15.419,19.05 17.119,20.75 17.442,20.75 v1(17.479,20.713)
USER_BUTTON: R21.1 R25.1 SW2.1 SW2.2 | length 15.4
  L1 w0.3: SW2.2@24.75,1.45 SW2.1@24.75,7.95 25.55,7.15 26,7.15 26.2,6.95 R21.1@27.3,6.95 28.85,6.95 v1(28.87,6.97) ; R25.1@29.05,9 29.116,8.934 29.331,9.15 v1(30.45,9.15)
  L2 w0.3: v1(28.87,6.97) 28.85,6.99 28.85,7.55 v1(30.45,9.15)
USER_BUTTON_BUF: C33.1 R25.2 U7.1 U7.2 | length 13.6
  L1 w0.3: U7.1@23.45,16.05 U7.2@23.45,15.1 23.675,15.1 24,14.775 24.095,14.775 25.281,13.589 25.281,13.071 25.5,12.852 25.5,11.631 25.119,11.25 24.095,11.25 23.995,11.35 23.4,11.35 23.2,11.15 C33.1@23.2,10.25 26.2,10.25 27.15,9.3 R25.2@27.15,9
pads on no net: FID1.1 FID2.1 FID3.1 FID4.1 J1.1 J1.8 MH4.1 U2.5 U2.6 U2.7 U2.12 U2.14 U2.22 U2.23 U2.25 U2.26

## Polygon pours and split planes (outlines as drawn)
+3V3 on L2 "+3V3_L02_P005" (solid, remove dead copper, pour order 5): 15.8,7.3 15.75,7.35 15.75,10.15 17.85,10.15 18,10 18,7.75 18.1,7.75 19.75,6.1 26.9,6.1 26.9,5.7 29.5,3.1 29.5,1.9 30.05,1.35 30.1,1.4 34.1,1.4 34.1,3.45 34.5,3.85 36.55,3.85 36.55,1.5 36.6,1.45 36.55,1.4 34.85,1.4 34.1,0.65 34.05,0.7 30,0.7 28.9,1.8 28.9,3.6 27.8,3.6 26.95,4.45 20.3,4.45 17.45,7.3 15.75,7.3 15.75,7.55
+5V on L2 "+5V_L02_P000" (solid, remove dead copper, pour order 0): 0.3,0.3 0.35,0.35 0.35,7.05 7.95,7.05 9.55,8.65 10.3,8.65 10.3,10.05 10.4,10.15 12.9,10.15 12.9,7.25 13.1,7.05 17.55,7.05 20.55,4.05 27.05,4.05 27.05,0.9 27.4,1.25 36.9,1.25 36.9,3.75 36.95,3.7 39.35,3.7 39.35,0.1 39.15,0.3

## Silkscreen, mask and mechanical layers (free items; w line width, h text height)
Top Overlay:
  text "GND" at 25.65,52.6 h0.5
  text "11" at 33.7,52.6 h0.5
  text "AREF" at 22.85,52.55 h0.5
  text "13" at 28.7,52.55 h0.5
  text "10" at 36.2,52.55 h0.5
  text "9" at 38.9,52.55 h0.5
  text "7" at 45.55,52.55 h0.5
  text "6" at 48,52.55 h0.5
  text "SDA" at 20.45,52.5 h0.5
  text "12" at 31.1,52.5 h0.5
  text "8" at 41.55,52.5 h0.5
  text "2" at 58.25,52.5 h0.5
  text "SCL" at 17.8,52.45 h0.5
  text "5" at 50.6,52.45 h0.5
  text "4" at 53.15,52.45 h0.5
  text "3" at 55.7,52.45 h0.5
  text "0->Rx" at 62.7,52.45 h0.5
  text "TX->1" at 59.8,52.4 h0.5
  text "JP1" at 67.85,47.7 h0.5 r270
  text "Abdurahman Bade" at 36.86,37.9 h1.52
  text "Arduino Uno Board" at 40.25,37.05 h0.5
  text "U1" at 58.15,22.7 h0.5
  text "AD5/SCL" at 59.469,8.433 h0.7 r305.48
  text "AD4/SDA" at 57.689,8.173 h0.7 r305.48
  text "AD3" at 57.029,5.953 h0.7 r305.48
  text "AD0" at 49.919,5.793 h0.7 r305.48
  text "AD1" at 52.198,5.673 h0.7 r305.48
  text "AD2" at 54.548,5.673 h0.7 r305.48
  text "J2" at 50.35,0.45 h0.5
  text "J1" at 27.55,0.35 h0.5
  text "WHAT??" at 44.51,0.33 h0.5
  text "^GND^" at 40.15,0.25 h0.7
  text "+3.3V" at 33.48,0.22 h0.7
  text "+5V" at 37.3,0.2 h0.7
  text "RESET" at 31.547,0.17 h0.3 r21.31
  text "IOREF" at 29.492,0.085 h0.3 r27.7
Mechanical 1:
  text "Assembly TOP of 28 Pins V1l1" at 25.8,57.3 h1.5
Mechanical Drawing:
  circle w1.016: c66,36.35 r1.6
  circle w1.016: c66.04,7.62 r1.6
  circle w1.016: c13.97,2.54 r1.6
  circle w1.016: c13.2,51.05 r1.6
  lines w1.016: 0,0 68.55,0 68.55,53.3 68.5,53.35 0.2,53.35 0,53.15 0,0
  text "Mechanical Drawing of 28 Pins V1l1" at 16.05,70 h1.5
  text "Unit = mils" at -23.95,-8.8 h1.5

## Dimensions
0,0 to 4.5,34.54 on Mechanical Drawing
0,0 to 4.5,34.54 on Mechanical Drawing
0,0 to 1.67,37.91 on Mechanical Drawing
0,0 to 1.56,45.65 on Mechanical Drawing
1.56,45.65 to 0,0 on Mechanical Drawing
27.94,2.54 to 2.1,3 on Mechanical Drawing
50.8,2.54 to 0,0 on Mechanical Drawing
0,0 to 63.5,50.8 on Mechanical Drawing
0,0 to 45.72,50.8 on Mechanical Drawing
0,0 to 13.97,2.54 on Mechanical Drawing
0,0 to 13.2,51.05 on Mechanical Drawing
0,0 to 66,36.35 on Mechanical Drawing
0,0 to 66.04,7.62 on Mechanical Drawing
0.2,53.35 to 13.2,51.05 on Mechanical Drawing
0.2,53.35 to 66,36.35 on Mechanical Drawing
0,0 to 66.04,7.62 on Mechanical Drawing
0,0 to 13.97,2.54 on Mechanical Drawing
0.2,53.35 to 68.5,53.35 on Mechanical Drawing
0,0 to 0.2,53.35 on Mechanical Drawing

## Text inside footprints (layer, text, board x,y; h text height)
J5: Top Overlay "^J5" at 0.101,43.599 h0.5 r359.32
J6: Top Overlay "^J6" at 0.99,35.98 h0.5
JP3: Top Overlay "1" at 12.314,43.838 h1.52
JP4: Top Overlay "1" at 12.382,6.514 h1.52 r90